# Altium PCB Copy of FOC_V1.1.PcbDoc (part 1 of 2)
Units mil, origin at the board's own origin, x right, y up, seen from the top; angles counter-clockwise.
Board outline 1874.02 x 3453.9 mil, 4 copper layers (Top Layer, Signal Layer 1, Internal Plane 1, Bottom Layer), stack 30.634 mil thick; 230 components, 135 nets, 782 pads, 565 vias.
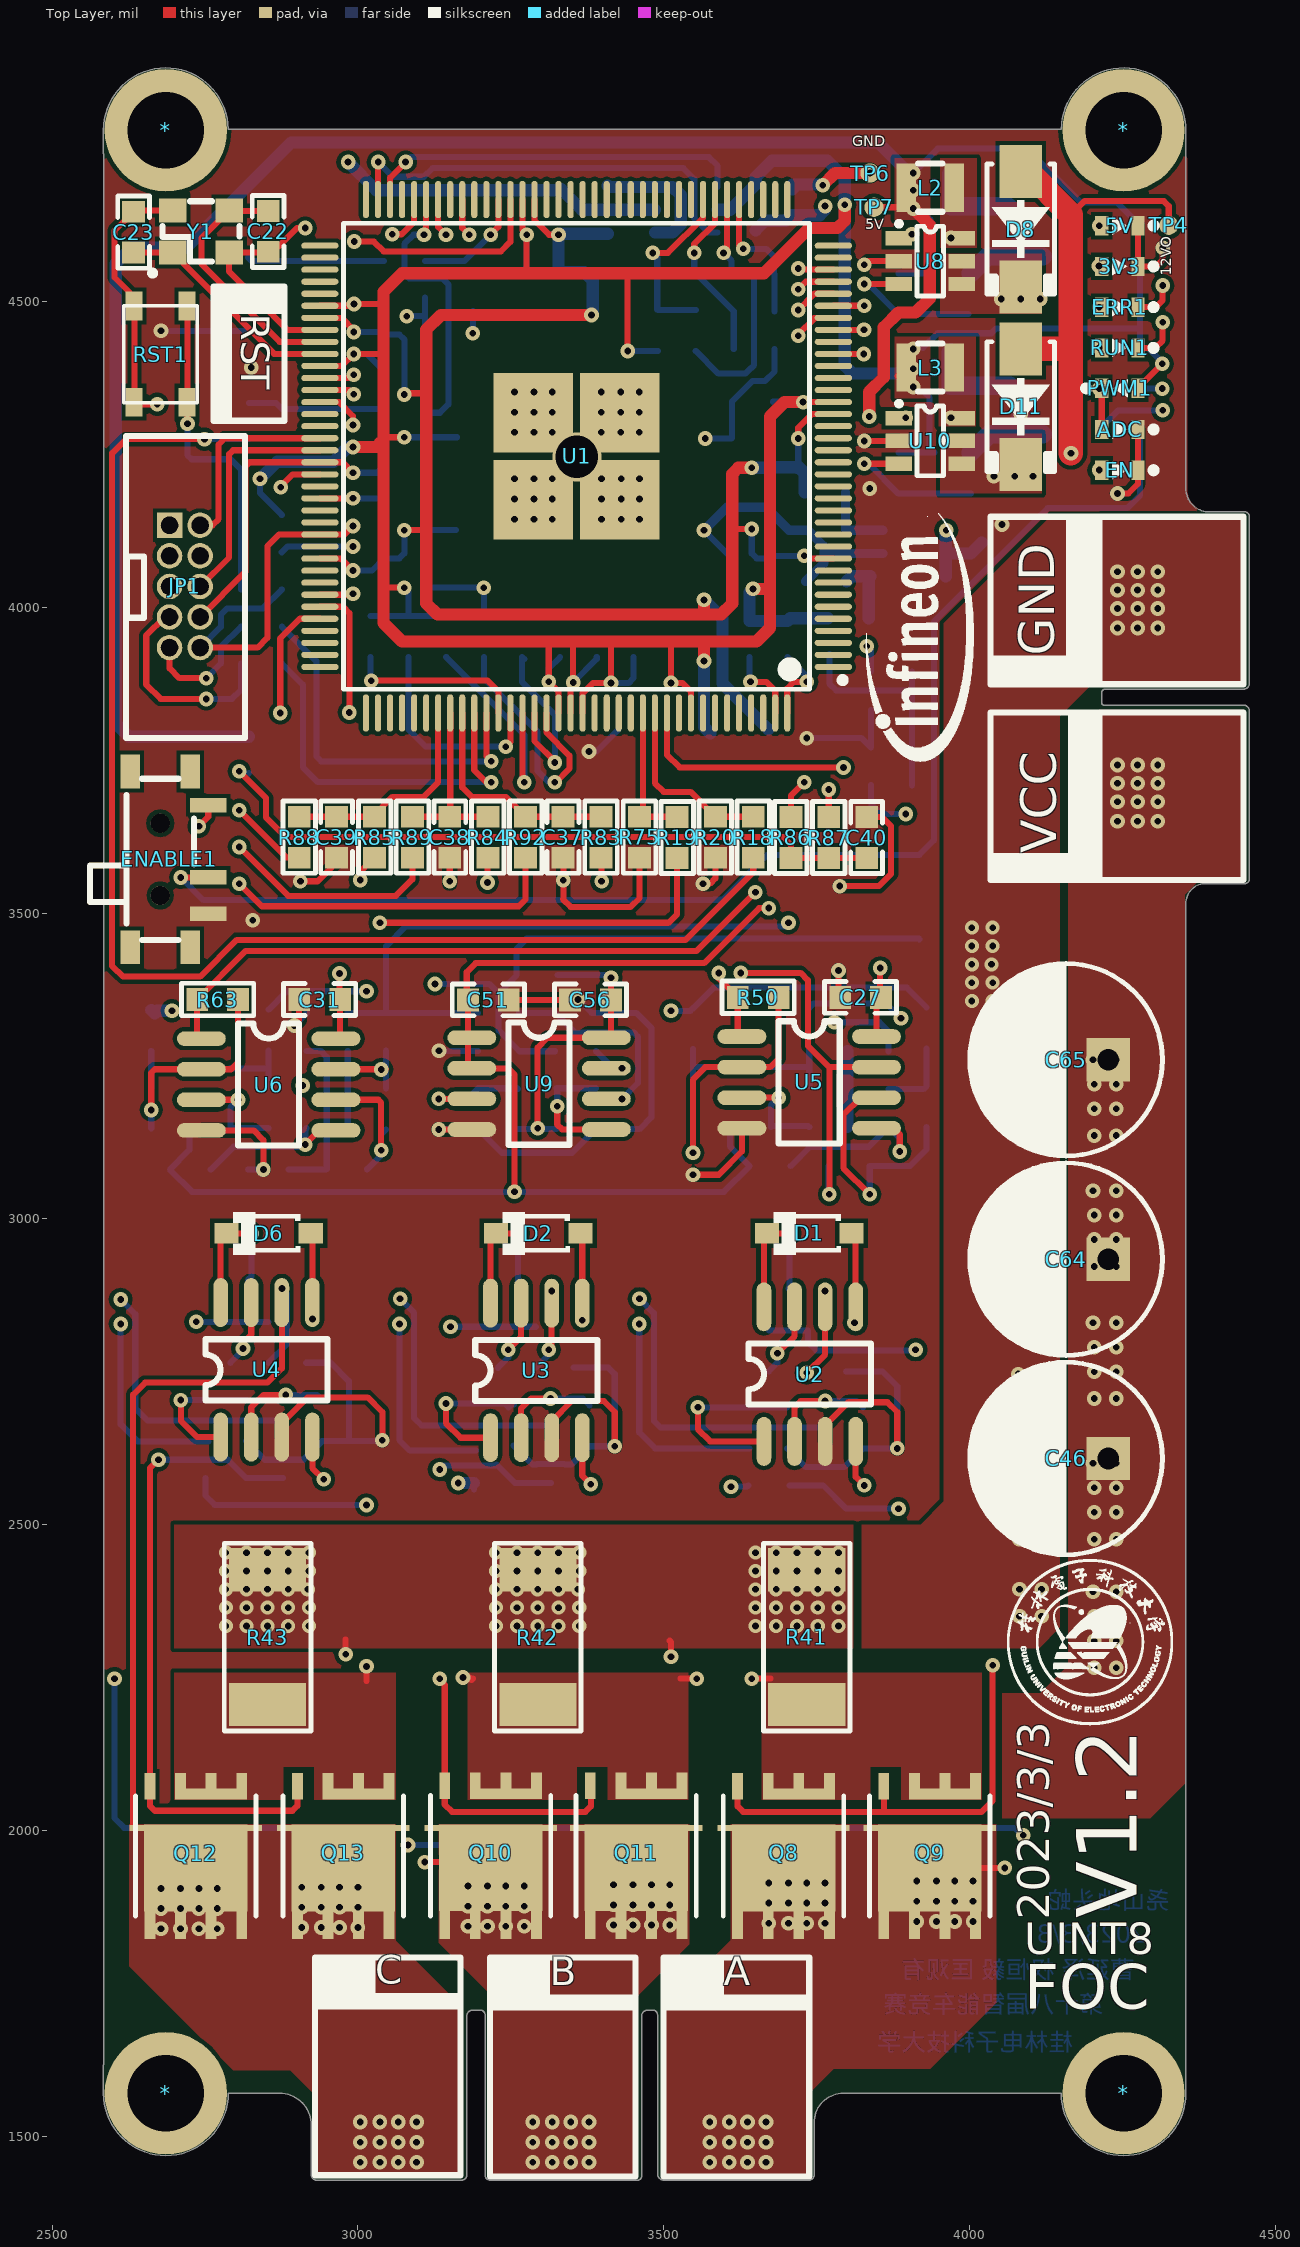
[diagram p0: Top Layer view]
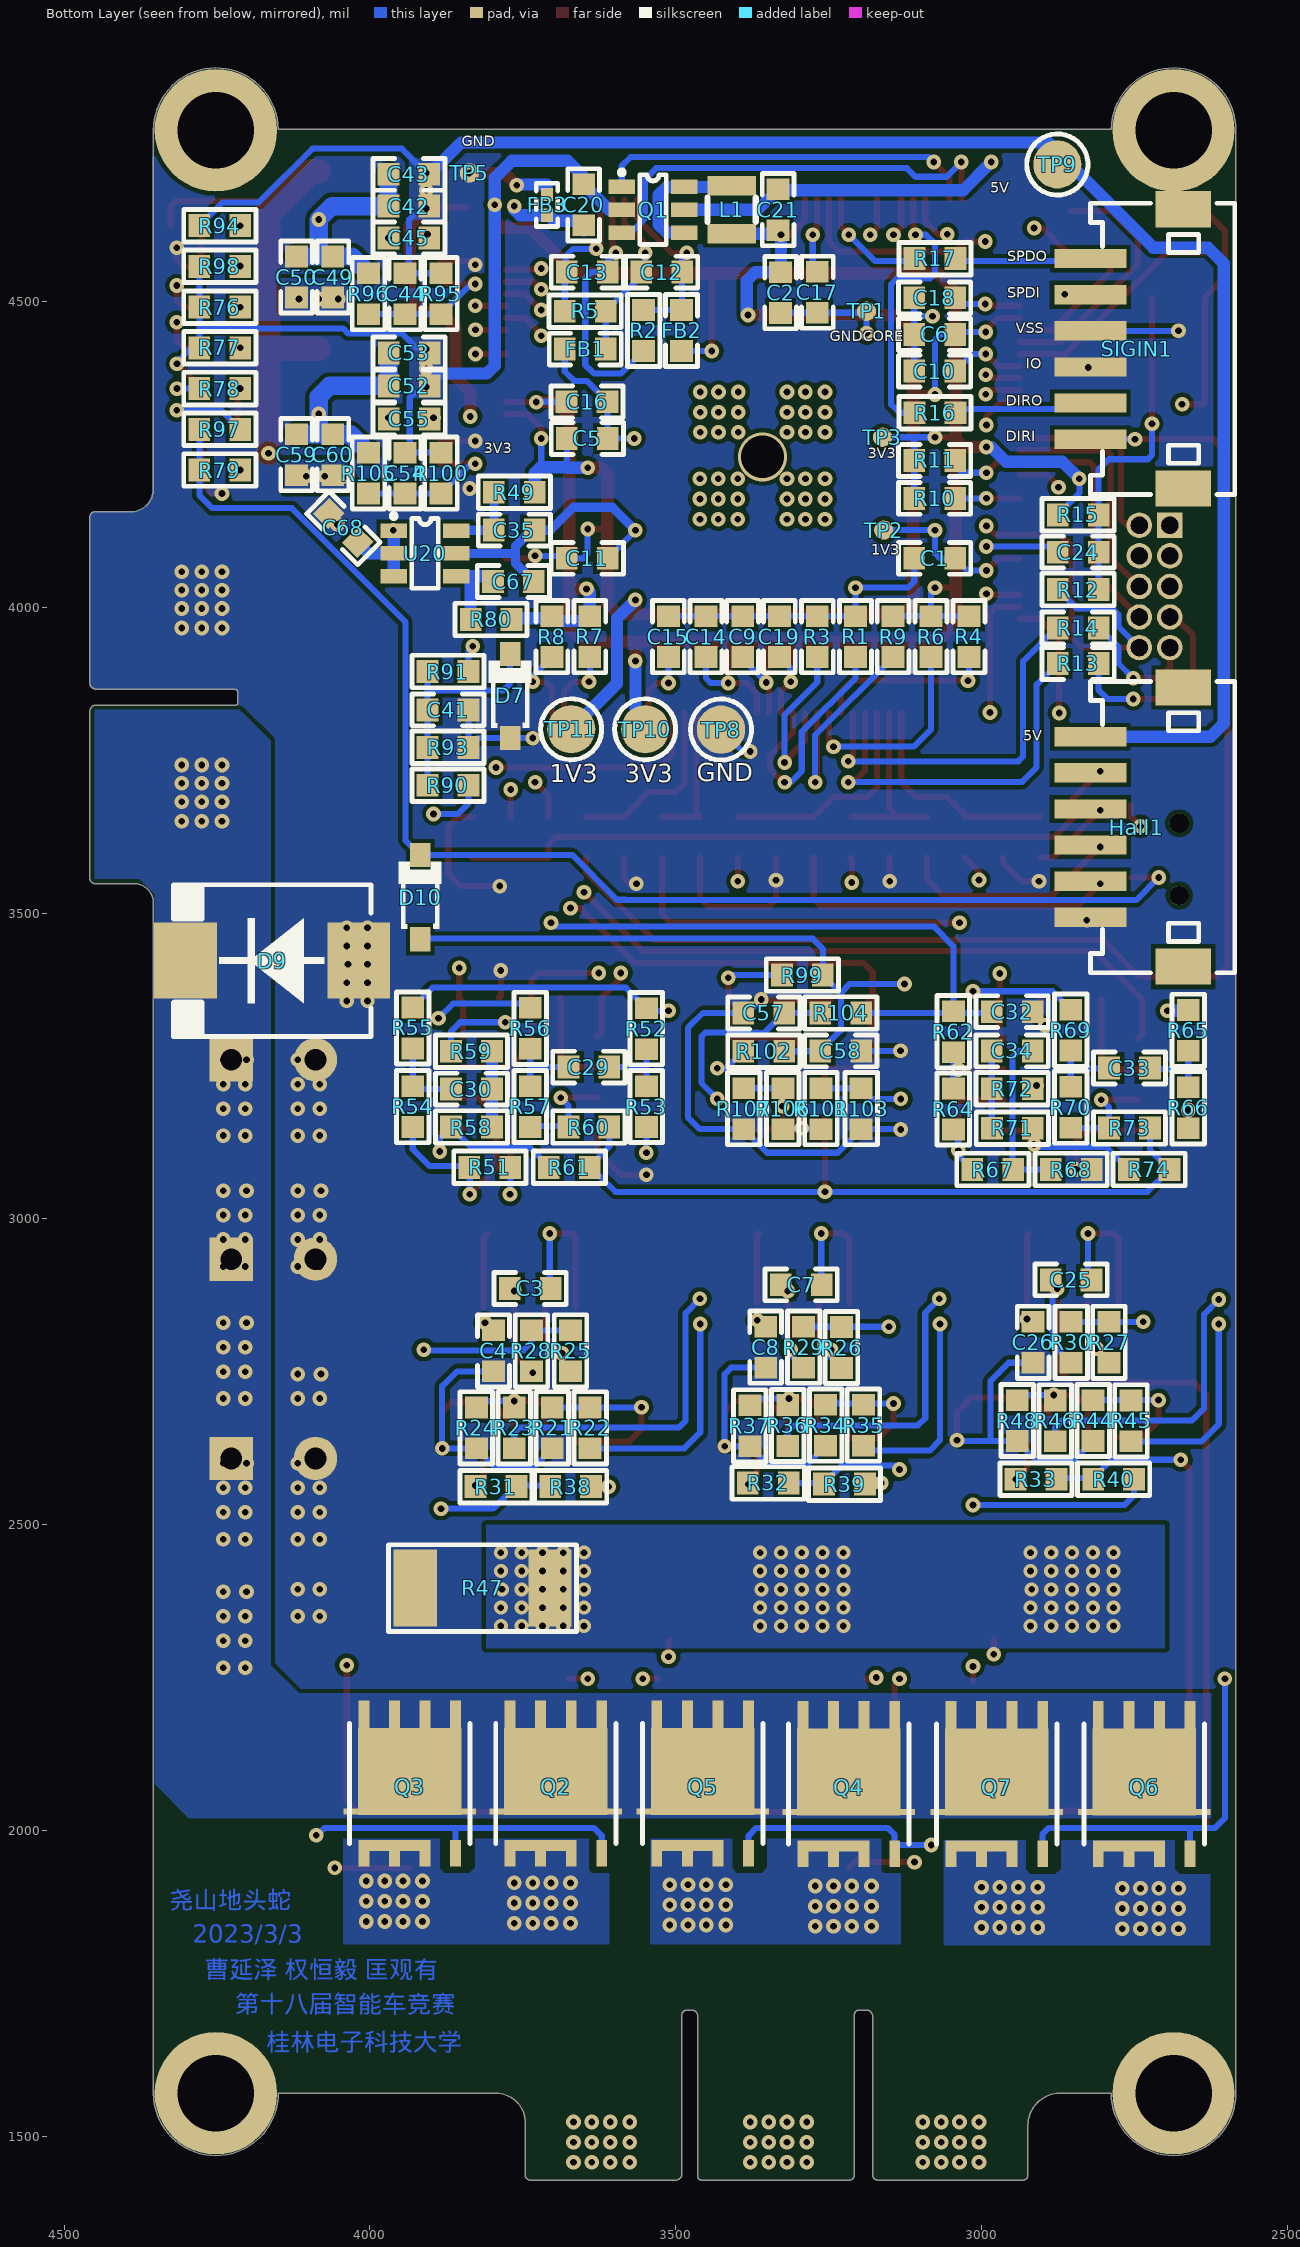
[diagram p1: Bottom Layer view, seen from below]
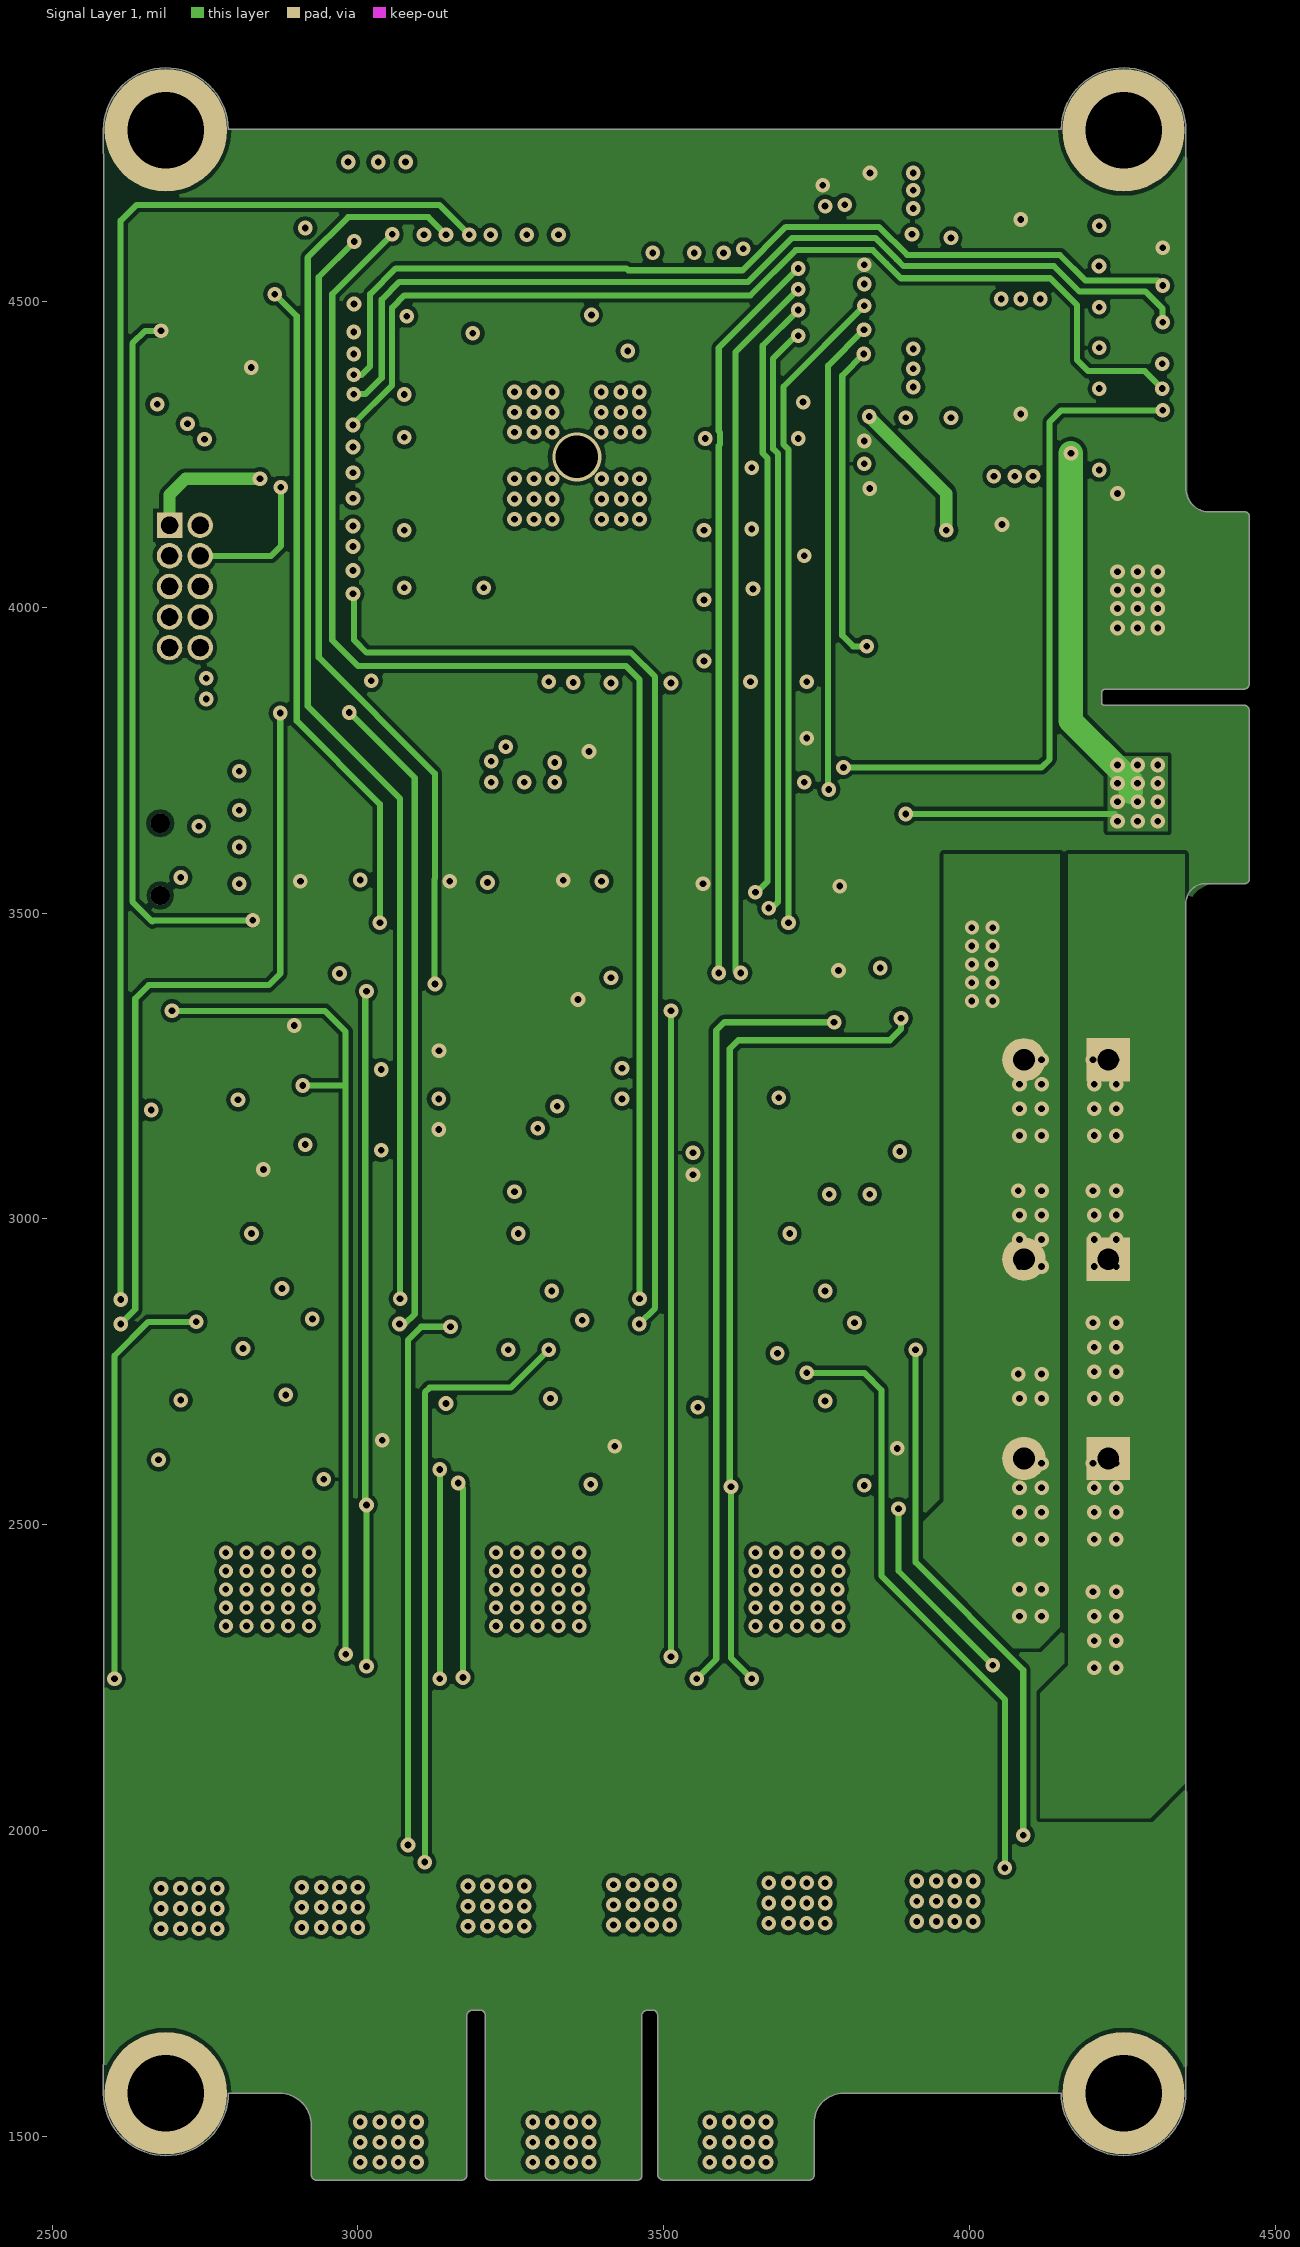
[diagram p2: Signal Layer 1]
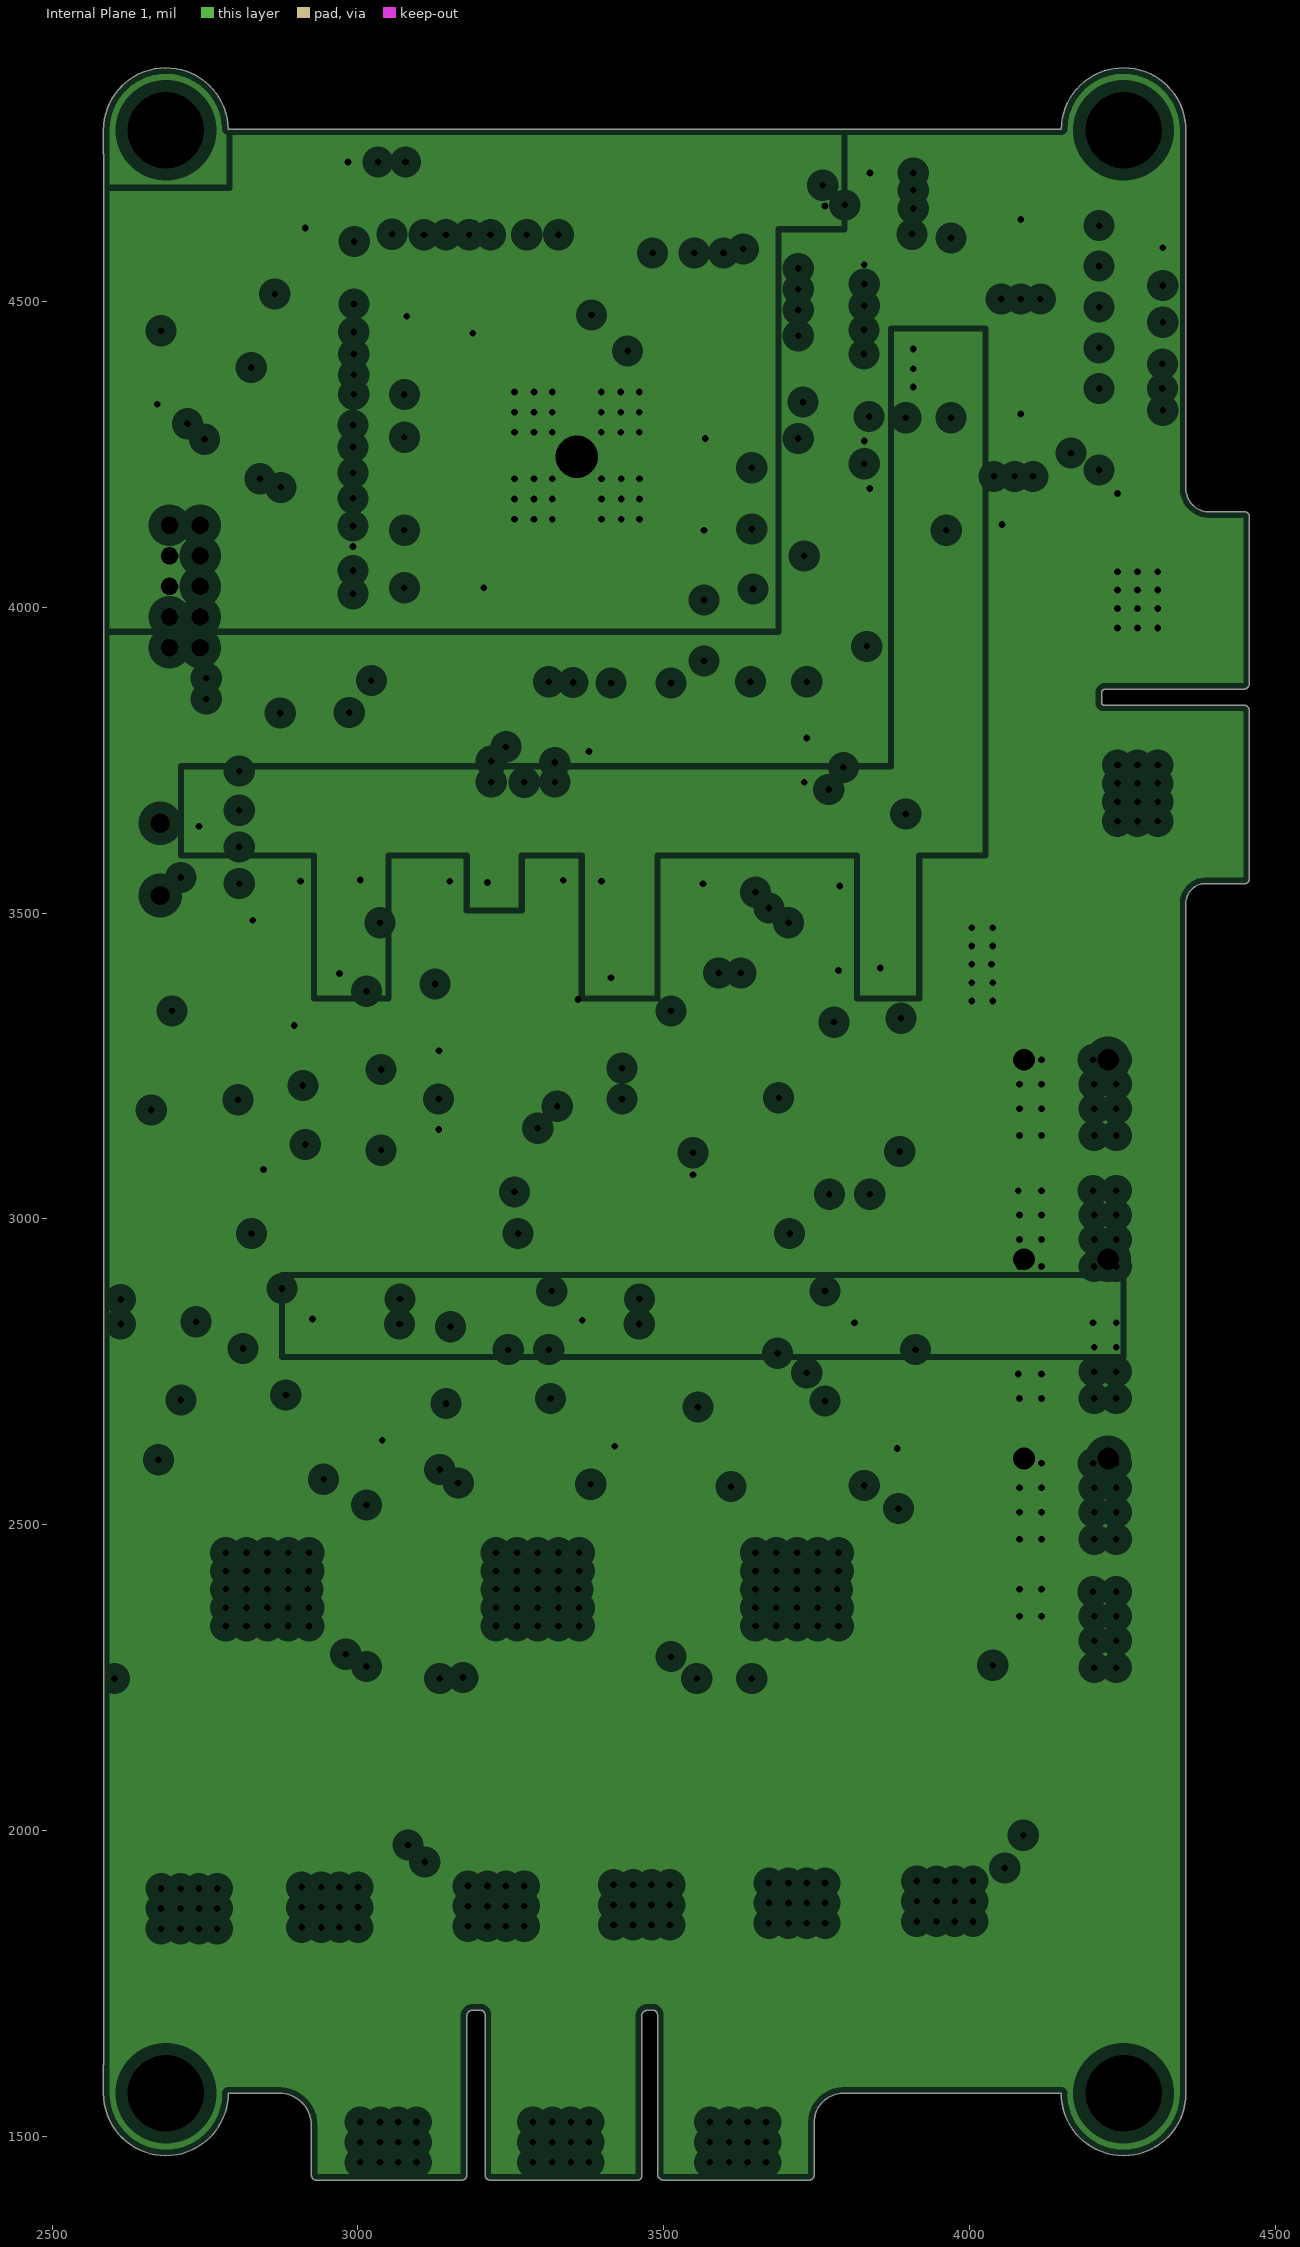
[diagram p3: Internal Plane 1, clearances drawn from the general rule]

## Layer stack, top to bottom
Top Solder: solder mask 0.4, Solder Resist, Dk 3.5
Top Layer: signal copper 1.4
Dielectric 1: core 10, FR-4, Dk 4.2
Signal Layer 1: signal copper 1.417
Dielectric 3: prepreg 5, Dk 4.2
Internal Plane 1: plane copper 1.417, net (Multiple Nets)
Dielectric 2: core 10, Dk 4.2
Bottom Layer: signal copper 1.4
Bottom Solder: solder mask 0.4, Solder Resist, Dk 3.5

## Board outline
2924.02,1436 ccw(c2932,1436) 2932,1428.02 3170,1428.02 ccw(c3170,1436) 3177.98,1436 3177.98,1696 cw(c3188,1696) 3188,1706.02 3200,1706.02 cw(c3200,1698) 3208.02,1698 3208.02,1436 ccw(c3216,1436) 3216,1428.02 3458,1428.02 ccw(c3458,1434) 3463.98,1434 3463.98,1696 cw(c3474,1696) 3474,1706.02 3482,1706.02 cw(c3482,1698) 3490.02,1698 3490.02,1438 ccw(c3500,1438) 3500,1428.02 3738,1428.02 ccw(c3738,1436) 3745.98,1436 3745.98,1522 cw(c3794,1522) 3793.65,1570.02 ccw(c3794,1572) 3794,1569.98 4149.97,1569.98 ccw(c4252,1570) 4354.03,1570 ccw(c4252,1570) 4354.02,1571.98 ccw(c4252,1570) 4354.02,1572 4354.02,1571.96 4354.02,3516 ccw(c4352,3516) 4354.02,3516.05 cw(c4386,3516) 4386,3547.99 4404,3547.99 ccw(c4404,3550) 4404.35,3548.02 4450,3548.02 ccw(c4450,3556) 4457.98,3556 4457.98,3830 ccw(c4448,3830) 4448,3839.98 4220,3839.98 cw(c4220,3844) 4215.98,3844 4215.98,3860 cw(c4222,3860) 4222,3866.02 4448,3866.02 ccw(c4448,3876) 4457.98,3876 4457.98,4148 ccw(c4450,4148) 4450,4155.98 4392.35,4155.98 ccw(c4392,4154) 4392,4156.02 cw(c4392,4194) 4354.02,4194 4354.02,4780 ccw(c4252,4780) 4150,4782.02 2788,4782.02 ccw(c2686,4780) 2583.99,4780.29 ccw(c2585.98,4780) 2583.97,4780 2583.97,4742.02 ccw(c2585.98,4742.02) 2584.02,4741.57 cw(c2586,4742.02) 2583.97,4742.02 2584.02,4741.57 2584.02,1616.35 ccw(c2586,1616) 2583.99,1616 2583.99,1570 ccw(c2686,1570) 2788.01,1569.95 2871.55,1569.95 ccw(c2871.55,1571.97) 2872.04,1570.01 cw(c2871.55,1517.55) 2924.02,1517.55

## Design rules (kind name [scope] priority, off if disabled: settings)
Clearance [All] p1: gap=7 ignorepadtopadclearanceinfootprint=TRUE
PlaneClearance [All] p1: clearance=20
PlaneConnect [All] p1: planeconnectstyle=Direct reliefexpansion=20 reliefentries=4 reliefconductorwidth=10 reliefairgap=10
PolygonConnect [All] p1: connectstyle=Direct reliefconductorwidth=10 reliefentries=4 polygonreliefangle="90 Angle" airgapwidth=10
RoutingVias [All] p1: holewidth=28 width=50 viastyle="Through Hole" minholewidth=28 minwidth=50 maxholewidth=28 maxwidth=50
SolderMaskExpansion [All] p1: expansion=4
Width [All] p1: maxlimit=100 minlimit=10 preferedwidth=10 minimp=50.000000 maximp=50.000000 favimp=50.000000
28 further rules are at their usual default settings.

## Components (designator, comment, footprint, x,y, rotation, side; value= is the part's Value field where it differs from the comment)
3V3 "红色贴片LED" LEDC1608(0603)-L 4246,4557.33 r180 top
5V "红色贴片LED" LEDC1608(0603)-L 4246,4624 r180 top
* "M3" "M3 125X200"#1 4252,1570 r180 top
* "M3" "M3 125X200"#2 4282,4780 r180 top
* "M3" "M3 125X200"#3 2668,4780 r180 top
* "M3" "M3 125X200"#4 2688,1570 r180 top
ADC "蓝色贴片LED" LEDC1608(0603)-L 4246,4290.67 r180 top
C1 "100nF ±10% 50V" CAPC1608[0603]S-N 3076.54,4080 r180 bottom
C2 "100nF ±10% 50V" CAPC1608[0603]S-N 3328.54,4514.54 r90 bottom
C3 "10uF ±10% 25V" CAPC1608[0603]S-N 3738,2886 r180 bottom
C4 "22uF ±10% 25V" CAPC1608[0603]S-N 3798,2784 r90 bottom
C5 "100nF ±10% 50V" CAPC1608[0603]S-N 3644.54,4276 r0 bottom
C6 "100nF ±10% 50V" CAPC1608[0603]S-N 3076.54,4446 r180 bottom
C7 "10uF ±10% 25V" CAPC1608[0603]S-N 3294.88,2892 r180 bottom
C8 "22uF ±10% 25V" CAPC1608[0603]S-N 3352.88,2790 r90 bottom
C9 "100nF ±10% 50V" CAPC1608[0603]S-N 3390.54,3952 r270 bottom
C10 "100nF ±10% 50V" CAPC1608[0603]S-N 3076.54,4386 r180 bottom
C11 "100nF ±10% 50V" CAPC1608[0603]S-N 3644.54,4080 r0 bottom
C12 "100nF ±10% 50V" CAPC1608[0603]S-N 3523.07,4548 r180 bottom
C13 "100nF ±10% 50V" CAPC1608[0603]S-N 3644.54,4548 r180 bottom
C14 "100nF ±10% 50V" CAPC1608[0603]S-N 3450.54,3952 r270 bottom
C15 "100nF ±10% 50V" CAPC1608[0603]S-N 3512,3952 r270 bottom
C16 "100nF ±10% 50V" CAPC1608[0603]S-N 3645.07,4336 r0 bottom
C17 "100nF ±10% 50V" CAPC1608[0603]S-N 3268.54,4515.07 r90 bottom
C18 "100nF ±10% 50V" CAPC1608[0603]S-N 3076.54,4506 r180 bottom
C19 "100nF ±10% 50V" CAPC1608[0603]S-N 3330.54,3952 r270 bottom
C20 "22uF ±10% 10V" CAPC1608[0603]S-N 3650.54,4658 r90 bottom
C21 "22uF ±10% 10V" CAPC1608[0603]S-N 3332.54,4650 r270 bottom
C22 "20pF ±10% 50V" CAPC1608[0603]S-N 2853.31,4614.54 r90 top
C23 "20pF ±10% 50V" CAPC1608[0603]S-N 2633.31,4613.46 r270 top
C24 "100nF ±10% 50V" CAPC1608[0603]S-N 2842,4090 r180 bottom
C25 "10uF ±10% 25V" CAPC1608[0603]S-N 2853.51,2900 r180 bottom
C26 "22uF ±10% 25V" CAPC1608[0603]S-N 2915.51,2798 r90 bottom
C27 "100nF ±10% 50V" CAPC1608[0603]S-N 3822,3362 r0 top
C29 "100nF ±10% 50V" CAPC1608[0603]S-N 3642,3248 r0 bottom
C30 "100nF ±10% 50V" CAPC1608[0603]S-N 3834,3212 r0 bottom
C31 "100nF ±10% 50V" CAPC1608[0603]S-N 2937.46,3358.54 r0 top
C32 "1uF ±10% 25V" CAPC1608[0603]S-N 2949.89,3338.54 r0 bottom
C33 "100nF ±10% 50V" CAPC1608[0603]S-N 2758,3246.54 r0 bottom
C34 "100nF ±10% 50V" CAPC1608[0603]S-N 2949.89,3274.54 r180 bottom
C35 "1uF ±10% 10V" CAPC1608[0603]S-N 3764,4126 r180 bottom
C37 "100nF ±10% 50V" CAPC1608[0603]S-N 3335.35,3624 r90 top
C38 "100nF ±10% 50V" CAPC1608[0603]S-N 3150.26,3624 r90 top
C39 "100nF ±10% 50V" CAPC1608[0603]S-N 2965.17,3624 r90 top
C40 "100nF ±10% 50V" CAPC1608[0603]S-N 3832,3623.41 r270 top
C41 "100nF ±10% 50V" CAPC1608[0603]S-N 3872.38,3832.24 r0 bottom
C42 "22uF ±10% 25V" CAPC1608[0603]S-N 3936.3,4655.94 r180 bottom
C43 "100nF ±10% 50V" CAPC1608[0603]S-N 3936.3,4707.94 r180 bottom
C44 "220pF ±10% 25V" CAPC1608[0603]S-N 3942.57,4512.69 r90 bottom
C45 "100nF ±10% 50V" CAPC1608[0603]S-N 3936.3,4603.94 r0 bottom
C46 "470uF 25V" CAPPR3.5-8X12 4158,2608 r180 top value=470uF
C49 "100nF ±10% 50V" CAPC1608[0603]S-N 4060.86,4540 r270 bottom
C50 "100nF ±10% 50V" CAPC1608[0603]S-N 4120,4540 r270 bottom
C51 "100nF ±10% 50V" CAPC1608[0603]S-N 3213.41,3358 r0 top
C52 "22uF ±10% 25V" CAPC1608[0603]S-N 3936,4361.94 r180 bottom
C53 "100nF ±10% 50V" CAPC1608[0603]S-N 3936,4415.94 r180 bottom
C54 "220pF ±10% 25V" CAPC1608[0603]S-N 3942.57,4219.41 r90 bottom
C55 "100nF ±10% 50V" CAPC1608[0603]S-N 3936,4307.94 r0 bottom
C56 "100nF ±10% 50V" CAPC1608[0603]S-N 3380.34,3358 r180 top
C57 "100nF ±10% 50V" CAPC1608[0603]S-N 3356,3336.54 r0 bottom
C58 "100nF ±10% 50V" CAPC1608[0603]S-N 3230,3274.54 r0 bottom
C59 "100nF ±10% 50V" CAPC1608[0603]S-N 4120,4249.46 r270 bottom
C60 "100nF ±10% 50V" CAPC1608[0603]S-N 4060.86,4249.46 r270 bottom
C64 "470uF 25V" CAPPR3.5-8X12 4158,2934 r180 top value=470uF
C65 "470uF 25V" CAPPR3.5-8X12 4158,3260 r180 top value=470uF
C67 "1uF ±10% 10V" CAPC1608[0603]S-N 3765.46,4042 r180 bottom
C68 "1uF ±10% 10V" CAPC1608[0603]S-N 4043.66,4129.66 r225 bottom
D1 "1N5819" SOD-123-L 3738,2976 r180 top
D2 "1N5819" SOD-123-L 3294.88,2976 r180 top
D6 "1N5819" SOD-123-L 2854,2976 r180 top
D7 "MMSZ3V6" SOD-123-L 3771,3854.9 r90 bottom
D8 "SS54" SMA[DO-214AC] 4084,4618.31 r270 top
D9 "SMDJ20CA" SMC[DO-214AB] 4160,3422.19 r0 bottom
D10 "1N5819" SOD-123-L 3918,3526 r90 bottom
D11 "SS54" SMA[DO-214AC] 4084,4327.94 r270 top
EN "蓝色贴片LED" LEDC1608(0603)-L 4246,4224 r180 top
ENABLE1 "SW-SPDT" MSK-12C01-07 2676.79,3587.7 r270 top
ERR1 "黄色贴片LED" LEDC1608(0603)-L 4246,4490.67 r180 top
FB1 "0R @100MHz 500mA" CAPC1608[0603]S-N 3648,4422.05 r0 bottom
FB2 "0R @100MHz 500mA" CAPC1608[0603]S-N 3490.54,4452.54 r90 bottom
FB3 "0R @100MHz 500mA" INDC1005[0402]S 3710.54,4658 r270 bottom
Hall1 "Header 6" ZH1.5-WF-6P 2822,3640.58 r90 bottom
JP1 "Header 5X2" DC3-10P 2720.55,4035.06 r270 top
L1 "4.7uH" SLO2520 3408.54,4650 r270 bottom
L2 "4.7uH" SLO2520 3936,4686 r0 top
L3 "3.3uH" SLO2520 3936,4391.94 r0 top
PWM1 "蓝色贴片LED" LEDC1608(0603)-L 4246,4358 r0 top
Q1 "BSL215C" SOT-23-6 3537.07,4650 r180 bottom
Q2 "BSC014N04LS" TDSON-8 3696,2076.51 r180 bottom
Q3 "BSC014N04LS" TDSON-8 3935,2076.51 r180 bottom
Q4 "BSC014N04LS" TDSON-8 3217,2075.67 r180 bottom
Q5 "BSC014N04LS" TDSON-8 3456,2076.51 r180 bottom
Q6 "BSC014N04LS" TDSON-8 2734,2075.67 r180 bottom
Q7 "BSC014N04LS" TDSON-8 2975,2075.67 r180 bottom
Q8 "BSC014N04LS" TDSON-8 3696,1958 r180 top
Q9 "BSC014N04LS" TDSON-8 3935,1958 r180 top
Q10 "BSC014N04LS" TDSON-8 3217,1958.33 r180 top
Q11 "BSC014N04LS" TDSON-8 3455,1958.33 r180 top
Q12 "BSC014N04LS" TDSON-8 2735,1957.83 r180 top
Q13 "BSC014N04LS" TDSON-8 2976,1958 r180 top
R1 "47K" CAPC1608[0603]S-N 3206,3952 r90 bottom
R2 "0R ±1%" RESC1608[0603]S-N 3552.54,4452.54 r270 bottom
R3 "47K" CAPC1608[0603]S-N 3268.54,3952 r90 bottom
R4 "47K" CAPC1608[0603]S-N 3020.54,3952 r90 bottom
R5 "0R ±1%" RESC1608[0603]S-N 3648,4484.05 r180 bottom
R6 "47K" CAPC1608[0603]S-N 3082.54,3952 r90 bottom
R7 "47K" CAPC1608[0603]S-N 3640.54,3952 r90 bottom
R8 "47K" CAPC1608[0603]S-N 3702.54,3952 r90 bottom
R9 "47K" CAPC1608[0603]S-N 3144.54,3952 r90 bottom
R10 "10K" CAPC1608[0603]S-N 3076.54,4178 r0 bottom
R11 "2.7K" CAPC1608[0603]S-N 3076.54,4240 r0 bottom
R12 "680R ±1%" RESC1608[0603]S-N 2842,4028.93 r0 bottom
R13 "0R" CAPC1608[0603]S-N 2842,3908 r180 bottom
R14 "0R" CAPC1608[0603]S-N 2842,3966 r180 bottom
R15 "10K ±1%" RESC1608[0603]S-N 2842,4151.06 r180 bottom
R16 "100R ±1%" RESC1608[0603]S-N 3076,4318 r180 bottom
R17 "100R ±1%" RESC1608[0603]S-N 3076,4570 r0 bottom
R18 "100R ±1%" RESC1608[0603]S-N 3646.52,3624 r270 top
R19 "100R ±1%" RESC1608[0603]S-N 3522,3623.46 r90 top
R20 "10K ±1%" RESC1608[0603]S-N 3584.52,3624 r270 top
R21 "10K ±1%" RESC1608[0603]S-N 3702,2658 r270 bottom
R22 "100R ±1%" RESC1608[0603]S-N 3640,2658 r90 bottom
R23 "100R ±1%" RESC1608[0603]S-N 3764,2658 r90 bottom
R24 "10K ±1%" RESC1608[0603]S-N 3826,2657.95 r270 bottom
R25 "4R7 ±1%" RESC1608[0603]S-N 3672,2784 r90 bottom
R26 "4R7 ±1%" RESC1608[0603]S-N 3228.88,2789.46 r90 bottom
R27 "4R7 ±1%" RESC1608[0603]S-N 2791.51,2798 r90 bottom
R28 "10K ±1%" RESC1608[0603]S-N 3736,2784 r90 bottom
R29 "10K ±1%" RESC1608[0603]S-N 3290.88,2790 r90 bottom
R30 "10K ±1%" RESC1608[0603]S-N 2853.51,2798 r90 bottom
R31 "4R7 ±1%" RESC1608[0603]S-N 3794,2562 r180 bottom
R32 "4R7 ±1%" RESC1608[0603]S-N 3348.88,2568 r180 bottom
R33 "4R7 ±1%" RESC1608[0603]S-N 2910.98,2574 r180 bottom
R34 "10K ±1%" RESC1608[0603]S-N 3254.88,2662.54 r270 bottom
R35 "100R ±1%" RESC1608[0603]S-N 3192.88,2662.46 r90 bottom
R36 "100R ±1%" RESC1608[0603]S-N 3316.88,2662 r90 bottom
R37 "10K ±1%" RESC1608[0603]S-N 3378.88,2661.46 r270 bottom
R38 "10K ±1%" RESC1608[0603]S-N 3672,2562 r0 bottom
R39 "10K ±1%" RESC1608[0603]S-N 3224,2566 r0 bottom
R40 "10K ±1%" RESC1608[0603]S-N 2784,2574 r0 bottom
R41 "2mR ±1%" RESC6332[2512]S 3734,2316 r270 top
R42 "2mR ±1%" RESC6332[2512]S 3294.17,2316 r270 top
R43 "2mR ±1%" RESC6332[2512]S 2852.35,2316 r270 top